# Altium PCB FMC_ADC_130M_16B_4CH.PcbDoc (part 6 of 8)
Units mil, origin at the board's own origin, x right, y up, seen from the top; angles counter-clockwise.
Board outline 3023 x 2716.54 mil, 8 copper layers (Top Layer, GND1, L3, GND2, L5, GND3, POWER, Bottom Layer), stack 52.323 mil thick; 406 components, 449 nets, 2146 pads, 1659 vias.
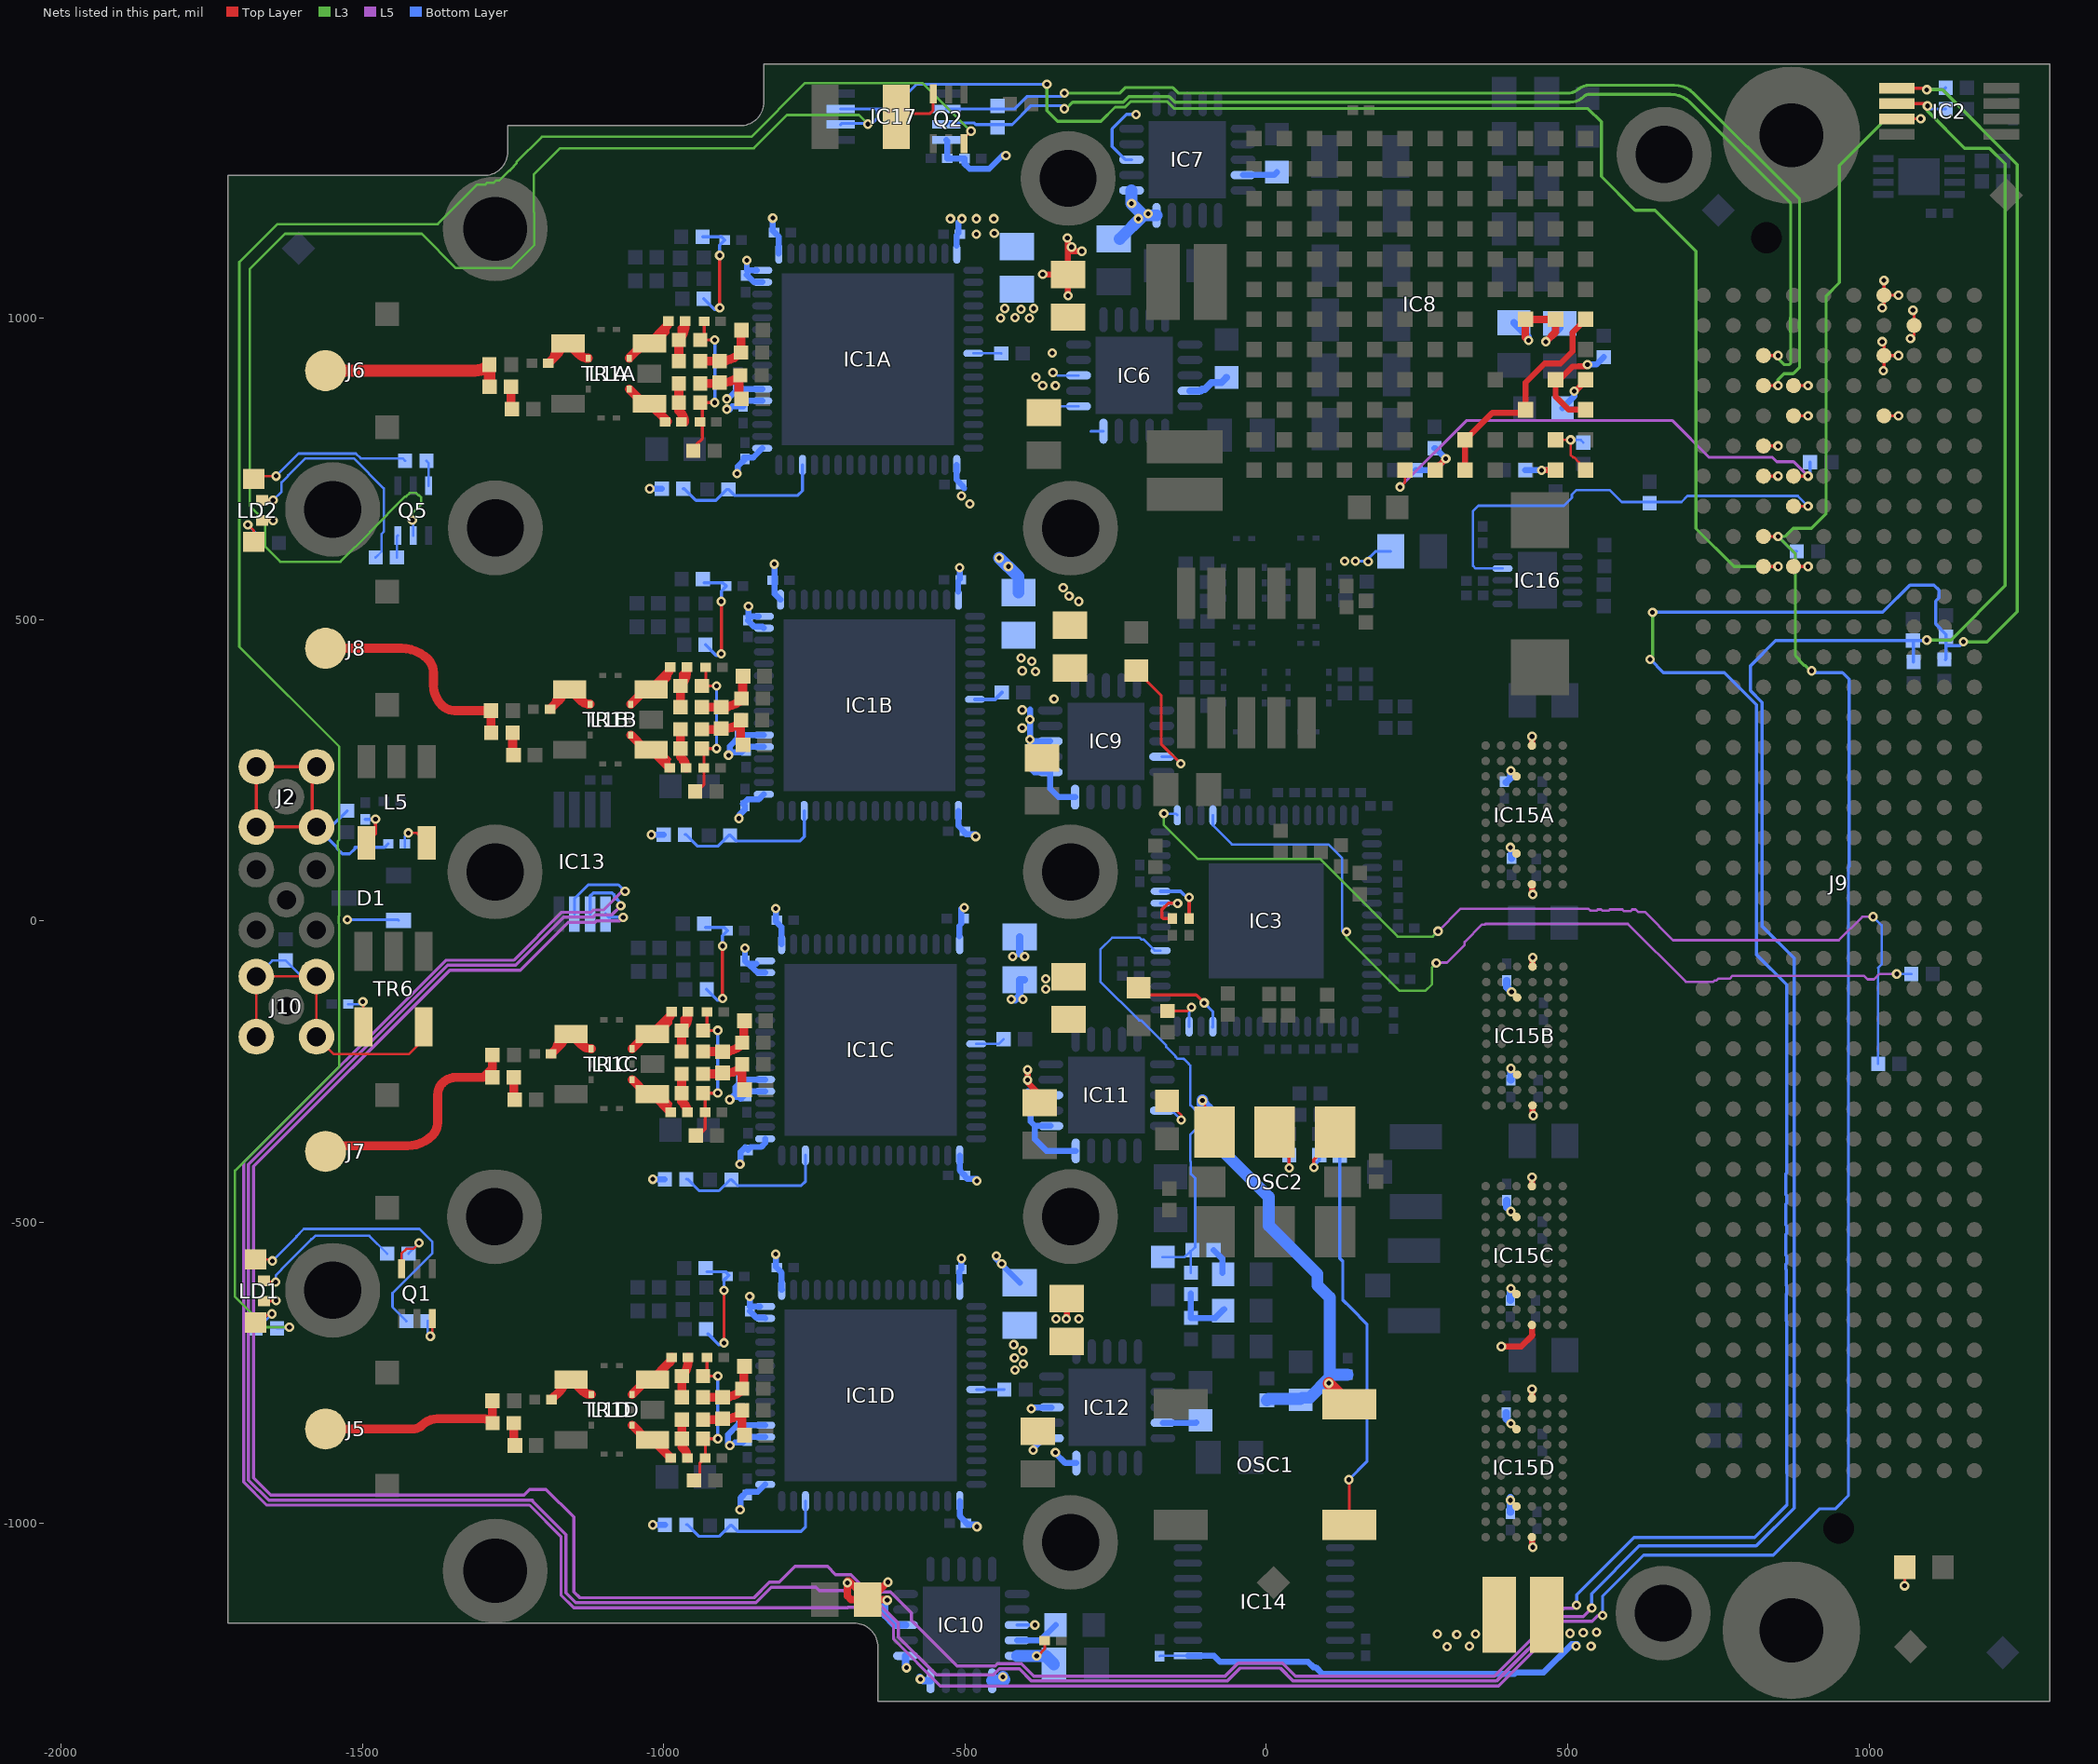
[diagram p12: the nets of this part, all layers, seen from the top]

## Via types
v1: diameter 15.75, hole 7.87, Top Layer to Bottom Layer, tented both sides, 1354 vias
v2: diameter 19.68, hole 7.87, Top Layer to Bottom Layer, tented both sides, 285 vias
v3: diameter 15.75, hole 7.87, Top Layer to Bottom Layer, 12 vias
v4: diameter 23.62, hole 7.87, Top Layer to Bottom Layer, tented both sides, 8 vias

## Nets (pads, with @x,y where several pads share a name; then routed paths per layer and width w, separated by ;. In a path a pad name is that pad's centre, name@x,y a point inside that pad or via, vN(x,y) a via of type N, cw(c..) or ccw(c..) an arc to the next point about the centre after c; other vN are vias at no path point) (continued)
LA28_N: IC2.3 IC13.3 J9.h32 R5.1 | length 7123.3
  Top Layer w5: J9.h32@824.92,638.01 v1(849,638) ; IC2.3@1046.39,1330.2 1047.18,1331 v1(1086,1331)
  L5 w5: v1(-1064,49) -1064,50 -1068,50 -1099.84,18.16 -1116.57,18.16 -1120.24,14.5 -1169.04,14.5 -1248.89,-65.35 -1361.67,-65.35 -1696.82,-400.5 -1696.82,-930.91 -1658.63,-969.11 -1222.58,-969.11 -1170.33,-1021.36 -1170.33,-1118.22 -1149.24,-1139.3 -694.79,-1139.3 -694.33,-1138.84 -668.06,-1138.84 -667.89,-1139.02 -647.67,-1139.02 -618.61,-1168.08 -618.61,-1191.39 -540.77,-1269.22 385.23,-1269.22 492.46,-1162 541,-1162 551,-1152 v1(558,-1152)
  L3 w5: v1(905,415) 903,415 894.37,423.63 893.05,423.63 884.63,432.05 884.63,433.37 878,440 878,609 v1(849,638) 861,638 874.37,651.37 904.37,651.37 929,676 929,1036.91 951,1058.91 951,1253 1029,1331 v1(1086,1331)
  Bottom Layer w5: IC13.3@-1147.8,11.39 -1147.8,37.2 -1125,60 -1075,60 v1(-1064,49) ; v1(558,-1152) 558,-1120 626,-1052 841.24,-1052 917.83,-975.4 944,-975.4 966,-953.4 966,89 967,90 967,401 956,412 908,412 v1(905,415) ; v1(849,638) 874,613 R5.1@880.28,613
LA28_P: IC17.2 IC17.3 J9.h31 Q5.2 | length 4500.2
  Top Layer w5: J9.h31@824.92,588.01 v1(849,588)
  L3 w4: v1(-1417,665) -1417,676.38 -1402.13,691.25 -1402.13,702.75 -1405.48,706.1 -1406.9,706.1 -1410.67,709.87 -1421.33,709.87 -1427.21,704 -1428.9,704 -1487,645.9 -1487,645 -1536,596 -1636,596 -1660.87,620.87 -1660.87,663 -1686.9,689.03 -1686.9,1081.3 -1628.2,1140 -1401.33,1140 -1344.46,1083.13 -1252.46,1083.13 -1214.35,1121.24 -1214.35,1175.14 -1215.61,1176.39 -1215.61,1238.08 -1171.69,1282 -850.37,1282 -795.37,1337 -676,1337 v1(-661,1322)
  L3 w5: v1(-364,1388) -364,1344 -346.5,1326.5 -274.46,1326.5 -250.83,1350.13 -234.1,1350.13 -224.85,1359.37 -164.42,1359.37 -152.69,1347.64 534,1347.64 556,1325.64 556,1235 612,1179 645,1179 713,1111 713,651 776,588 v1(849,588)
  Bottom Layer w4: v1(-1417,665) -1415.59,663.59 Q5.2@-1415.59,639.32
  Bottom Layer w5: IC17.2@-706.32,1321.3 -704.62,1323 -654.52,1323 -645.35,1332.17 -645.35,1346.37 -645.87,1346.89 ; IC17.3@-706.32,1346.89 -645.87,1346.89 ; v1(-364,1388) -580.35,1388 -621.46,1346.89 -645.87,1346.89
LA29_N: J9.g31 | length 24.1
  Top Layer w5: J9.g31@874.92,588.01 v1(899,588)
LA30_N: J9.h35 | length 24.1
  Top Layer w5: J9.h35@824.92,788.01 v1(849,788)
LA30_P: J9.h34 | length 24.1
  Top Layer w5: J9.h34@824.92,738.01 v1(849,738)
LA31_N: IC8.G12 J9.g34 R78.2 | length 842.4
  Top Layer w4: v1(222,720) 223,721 224,721 230,727 IC8.G12@230,748
  Top Layer w5: J9.g34@874.92,738.01 v1(899,738)
  L5 w5: v1(222,720) 332,830 674,830 735,769 840,769 847,762 875,762 v1(899,738)
  Bottom Layer w4: v1(222,720) v1@223,721
  Bottom Layer w5: v1(899,738) 902.28,741.28 R78.2@902.28,761
LA31_P: IC16.9 J9.g33 R48.2 | length 758.9
  Top Layer w5: J9.g33@874.92,688.01 v1(899,688)
  Bottom Layer w4: IC16.9@391.93,584.69 347.31,584.69 343,589 343,680 351.87,688.87 493.87,688.87 507.13,702.13 507.13,707.33 514.67,714.87 520,714.87 520,715 570,715 590,695 689,695 699,705 882,705 v1(899,688)
LA32_N: IC17.7 J9.h38 R75.1 | length 1827.6
  Top Layer w5: J9.h38@824.92,938.01 v1(849,938)
  L3 w5: v1(-335,1347.38) -331.93,1347.38 -321.19,1358.13 -237.41,1358.13 -228.17,1367.37 -161.11,1367.37 -151.87,1358.13 503.82,1358.13 ccw(c503.82,1390.47) 526.69,1367.6 cw(c535.8,1358.5) 535.8,1371.37 670.97,1371.37 cw(c670.97,1326.15) 702.95,1358.13 870,1191.08 870,1001.13 869.63,1000.75 869.63,977.25 870,976.87 870,925 868,923 859,923 849,933 v1(849,938)
  Bottom Layer w5: IC17.7@-530.73,1321.3 -528.29,1323.73 -484.34,1323.73 -481.91,1321.3 -421.54,1321.3 -390.33,1352.51 -340.13,1352.51 v1(-335,1347.38)
LA32_P: IC17.6 J9.h37 R75.2 | length 1875.3
  Top Layer w5: J9.h37@824.92,888.01 v1(849,888)
  L3 w5: v1(-335,1373.13) -243.62,1373.13 -234.38,1382.37 -154.9,1382.37 -145.65,1373.13 499.82,1373.13 ccw(c499.82,1400.13) 518.91,1381.04 ; 516.09,1378.21 cw(c535.8,1358.5) 535.8,1386.37 677.18,1386.37 cw(c677.18,1341.15) 709.16,1373.13 885,1197.29 885,994.91 884.63,994.54 884.63,983.46 885,983.09 885,918.79 874.21,908 859,908 849,898 v1(849,888)
  Bottom Layer w5: IC17.6@-530.73,1346.89 -417.85,1346.89 -396.74,1368 -340.13,1368 v1(-335,1373.13)
LA33_N: J9.g37 | length 24.1
  Top Layer w5: J9.g37@874.92,888.01 v1(899,888)
LA33_P: J9.g36 | length 24.1
  Top Layer w5: J9.g36@874.92,838.01 v1(899,838)
NetC1A_1: C1A.1 L1A.1 TR1A.8 | length 246.4
  Top Layer w5: C1A.1@-992.44,990.95 C1A.1@-992.44,994.34 ; L1A.1@-1032.73,958 TR1A.8@-1057.14,933.59 L1A.1@-1032.73,958 ; L1A.1@-1032.73,958 L1A.1@-1023.48,958 ; L1A.1@-1032.73,958 L1A.1@-1023.48,958 ; L1A.1@-1023.48,958 L1A.1@-1010.67,958 ; L1A.1@-1023.48,958 L1A.1@-1010.67,958 ; L1A.1@-1010.67,958 -993.03,975.63 -993.03,978.92 -992.44,979.52 C1A.1@-992.44,994.34 ; C1A.1@-992.44,994.34 C1A.1@-991.78,995 C1A.1@-992.44,994.34
  Top Layer w15: TR1A.8@-1057.14,933.59 L1A.1@-1032.73,957.99 ; L1A.1@-1023.48,958 -995.53,985.95 ccw(c-1004.58,995) -992.44,990.95 ccw(c-1004.58,995) C1A.1@-991.78,995
NetC1A_2: C1A.2 R1A.1 R3A.2 | length 139.5
  Top Layer w5: R1A.1@-974.72,928.82 R3A.2@-974.72,963.82 -974.72,984.5 C1A.2@-964.22,995
  Top Layer w15: R1A.1@-974.72,928.82 R3A.2@-974.72,963.82 ccw(c-1000.07,989.17) -964.22,989.17 C1A.2@-964.22,995
NetC1B_1: C1B.1 L1B.1 TR1B.8 | length 246.4
  Top Layer w5: C1B.1@-989.72,416.95 C1B.1@-989.72,420.34 ; L1B.1@-1030.02,384 TR1B.8@-1054.42,359.59 L1B.1@-1030.02,384 ; L1B.1@-1030.02,384 L1B.1@-1020.76,384 ; L1B.1@-1030.02,384 L1B.1@-1020.76,384 ; L1B.1@-1020.76,384 L1B.1@-1007.95,384 ; L1B.1@-1020.76,384 L1B.1@-1007.95,384 ; L1B.1@-1007.95,384 -990.31,401.63 -990.31,404.92 -989.72,405.52 C1B.1@-989.72,420.34 ; C1B.1@-989.72,420.34 C1B.1@-989.06,421 C1B.1@-989.72,420.34
  Top Layer w15: TR1B.8@-1054.42,359.59 L1B.1@-1030.02,383.99 ; L1B.1@-1020.76,384 -992.81,411.95 ccw(c-1001.86,421) -989.72,416.95 ccw(c-1001.86,421) C1B.1@-989.06,421
NetC1B_2: C1B.2 R1B.1 R3B.2 | length 139.5
  Top Layer w5: R1B.1@-972,354.82 R3B.2@-972,389.82 -972,410.5 C1B.2@-961.5,421
  Top Layer w15: R1B.1@-972,354.82 R3B.2@-972,389.82 ccw(c-997.35,415.17) -961.5,415.17 C1B.2@-961.5,421
NetC1C_1: C1C.1 L1C.1 TR1C.8 | length 246.4
  Top Layer w5: C1C.1@-987.64,-154.62 C1C.1@-987.64,-151.23 ; L1C.1@-1027.94,-187.58 TR1C.8@-1052.34,-211.99 L1C.1@-1027.94,-187.58 ; L1C.1@-1027.94,-187.58 L1C.1@-1018.68,-187.58 ; L1C.1@-1027.94,-187.58 L1C.1@-1018.68,-187.58 ; L1C.1@-1018.68,-187.58 L1C.1@-1005.87,-187.58 ; L1C.1@-1018.68,-187.58 L1C.1@-1005.87,-187.58 ; L1C.1@-1005.87,-187.58 -988.24,-169.94 -988.24,-166.65 -987.64,-166.06 C1C.1@-987.64,-151.23 ; C1C.1@-987.64,-151.23 C1C.1@-986.98,-150.57 C1C.1@-987.64,-151.23
  Top Layer w15: TR1C.8@-1052.34,-211.99 L1C.1@-1027.94,-187.59 ; L1C.1@-1018.68,-187.58 -990.73,-159.62 ccw(c-999.78,-150.57) -987.64,-154.62 ccw(c-999.78,-150.57) C1C.1@-986.98,-150.57
NetC1C_2: C1C.2 R1C.1 R3C.2 | length 139.5
  Top Layer w5: R1C.1@-969.92,-216.75 R3C.2@-969.92,-181.75 -969.92,-161.07 C1C.2@-959.43,-150.57
  Top Layer w15: R1C.1@-969.92,-216.75 R3C.2@-969.92,-181.75 ccw(c-995.27,-156.4) -959.43,-156.4 C1C.2@-959.43,-150.57
NetC1D_1: C1D.1 L1D.1 TR1D.8 | length 145
  Top Layer w5: TR1D.8@-1052.23,-785.41 -1027.83,-761 L1D.1@-1018.57,-761 L1D.1@-1005.76,-761 ; C1D.1@-987.53,-728.05 -987.53,-724.66 C1D.1@-986.87,-724
  Top Layer w15: TR1D.8@-1052.23,-785.41 L1D.1@-1027.83,-761.01 ; L1D.1@-1018.57,-761 -990.62,-733.05 ccw(c-999.67,-724) -987.53,-728.05 ccw(c-999.67,-724) C1D.1@-986.87,-724
NetC1D_2: C1D.2 R1D.1 R3D.2 | length 69
  Top Layer w15: R1D.1@-969.81,-790.18 R3D.2@-969.81,-755.18 ccw(c-995.16,-729.83) -959.31,-729.83 C1D.2@-959.31,-724
NetC2A_2: C2A.2 L1A.5 TR1A.1 | length 185.9
  Top Layer w5: C2A.2@-1191.22,925 -1185,943 L1A.5@-1171.22,956.78 ; L1A.5@-1158.52,958 -1149.27,958 TR1A.1@-1124.86,933.59
  Top Layer w15: C2A.2@-1191.22,925 -1176.68,939.54 ccw(c-1194.92,957.78) -1169.13,957.78 -1168.91,958 L1A.5@-1158.52,958 ; L1A.5@-1149.27,958 L1A.5@-1158.52,958 ; TR1A.1@-1124.86,933.59 cw(c-1124.85,955.93) -1140.65,940.13 L1A.5@-1158.52,958
NetC2B_2: C2B.2 L1B.5 TR1B.1 | length 208.6
  Top Layer w5: C2B.2@-1188.5,351 -1182,368 ; L1B.5@-1168.22,381.78 -1182,368 ; L1B.5@-1160.94,378.56 -1182,368 ; L1B.5@-1155.8,384 -1146.55,384 TR1B.1@-1122.14,359.59
  Top Layer w15: C2B.2@-1188.5,351 -1173.96,365.54 ccw(c-1192.21,383.78) -1166.41,383.78 -1166.19,384 L1B.5@-1155.8,384 ; L1B.5@-1146.55,384 L1B.5@-1155.8,384 ; TR1B.1@-1122.14,359.59 cw(c-1122.14,381.93) -1137.94,366.13 L1B.5@-1155.8,384
NetC2C_2: C2C.2 L1C.5 TR1C.1 | length 186.5
  Top Layer w5: C2C.2@-1186.43,-220.57 -1180,-202 L1C.5@-1166.22,-188.22 ; L1C.5@-1153.72,-187.58 -1144.47,-187.58 TR1C.1@-1120.06,-211.99
  Top Layer w15: C2C.2@-1186.43,-220.57 -1171.89,-206.04 ccw(c-1190.13,-187.8) -1164.33,-187.8 -1164.11,-187.58 L1C.5@-1153.72,-187.58 ; L1C.5@-1144.47,-187.58 L1C.5@-1153.72,-187.58 ; TR1C.1@-1120.06,-211.99 cw(c-1120.06,-189.65) -1135.86,-205.44 L1C.5@-1153.72,-187.58
NetC2D_2: C2D.2 L1D.5 TR1D.1 | length 103.6
  Top Layer w15: C2D.2@-1186.31,-794 -1171.78,-779.46 ccw(c-1190.02,-761.22) -1164.22,-761.22 -1164,-761 L1D.5@-1153.61,-761 ; L1D.5@-1144.36,-761 L1D.5@-1153.61,-761 ; TR1D.1@-1119.95,-785.41 cw(c-1119.95,-763.07) -1135.75,-778.87 L1D.5@-1153.61,-761
NetC3A_1: C3A.1 C5A.2 R1A.2 R2A.1 | length 230.8
  Top Layer w5: R1A.2@-939.29,928.82 -885.89,928.82 R2A.1@-871.72,943 -870.72,944 C3A.1@-870.72,980 ; R2A.1@-873.17,941.55 R2A.1@-871.72,943
  Top Layer w15: R1A.2@-939.29,928.82 -907.11,928.82 C5A.2@-907,928.72 C5A.2@-906.2,928.72 ; C5A.2@-896.93,928.72 C5A.2@-906.2,928.72 ; R2A.1@-871.72,943 cw(c-906.2,977.48) -902.96,928.82 cw(c-906.2,977.48) C5A.2@-906.2,928.72 ; R2A.1@-871.72,943 -871.72,977.59 cw(c-868.3,977.59) C3A.1@-870.72,980
NetC3B_1: C3B.1 C5B.2 R1B.2 R2B.1 | length 230.8
  Top Layer w5: R1B.2@-936.57,354.82 -883.18,354.82 -869,369 -868,370 C3B.1@-868,406 ; R2B.1@-870.45,367.55 R2B.1@-869.02,368.98
  Top Layer w15: R1B.2@-936.57,354.82 -904.39,354.82 C5B.2@-904.28,354.72 C5B.2@-903.48,354.72 ; C5B.2@-894.22,354.72 C5B.2@-903.48,354.72 ; R2B.1@-869.02,368.98 cw(c-903.48,403.48) -900.25,354.82 cw(c-903.48,403.48) C5B.2@-903.48,354.72 ; R2B.1@-869,369 -869,403.59 cw(c-865.59,403.59) C3B.1@-868,406
NetC3C_1: C3C.1 C5C.2 R1C.2 R2C.1 | length 230.8
  Top Layer w5: R1C.2@-934.49,-216.75 -881.1,-216.75 R2C.1@-866.92,-202.57 ; R2C.1@-868.37,-204.03 R2C.1@-866.94,-202.59 ; C3C.1@-865.92,-165.57 -865.92,-201.57 R2C.1@-866.92,-202.57
  Top Layer w15: R1C.2@-934.49,-216.75 -902.31,-216.75 C5C.2@-902.2,-216.86 C5C.2@-901.4,-216.86 ; C5C.2@-892.14,-216.86 C5C.2@-901.4,-216.86 ; C3C.1@-865.92,-165.57 ccw(c-863.51,-167.99) -866.92,-167.99 -866.92,-202.57 cw(c-901.4,-168.09) -898.17,-216.75 cw(c-901.4,-168.09) C5C.2@-901.4,-216.86
NetC3D_1: C3D.1 C5D.2 R1D.2 R2D.1 | length 120
  Top Layer w5: R2D.1@-868.26,-777.45 R2D.1@-866.83,-776.02
  Top Layer w15: R1D.2@-934.38,-790.18 -902.2,-790.18 C5D.2@-902.09,-790.28 C5D.2@-901.29,-790.28 ; C5D.2@-892.03,-790.28 C5D.2@-901.29,-790.28 ; R2D.1@-866.83,-776.02 cw(c-901.29,-741.52) -898.06,-790.18 cw(c-901.29,-741.52) C5D.2@-901.29,-790.28 ; R2D.1@-866.81,-776 -866.81,-741.41 cw(c-863.4,-741.41) C3D.1@-865.81,-739
NetC4A_1: C4A.1 C26A.1 R3A.1 R6A.2 R16A.1 | length 260.3
  Top Layer w5: R16A.1@-944.72,791 -935.78,799.94 -935.78,828 -935.78,856.32 R6A.2@-939.29,859.82 -915.18,859.82 v1(-915,860) ; C4A.1@-932.78,994.73 -932.78,970.33 R3A.1@-939.29,963.82 -915.18,963.82 v1(-915,964)
  Bottom Layer w5: v1(-915,860) v1(-915,964)
NetC4B_1: C4B.1 C26B.1 R3B.1 R6B.2 R16B.1 | length 255.3
  Top Layer w5: R16B.1@-942,217 -933.06,225.94 C26B.1@-933.06,254 R6B.2@-933.06,282.32 ; R6B.2@-936.57,285.82 -912.46,285.82 v1(-912.28,286) ; C4B.1@-930.06,420.73 -930.06,396.33 R3B.1@-936.57,389.82 -912.46,389.82 v1(-912.28,390)
  Bottom Layer w5: v1(-912.28,286) v1(-912.28,390)
NetC4C_1: C4C.1 C26C.1 R3C.1 R6C.2 R16C.1 | length 255.3
  Top Layer w5: R16C.1@-939.92,-354.57 -930.98,-345.64 C26C.1@-930.98,-317.57 R6C.2@-930.98,-289.26 ; R6C.2@-934.49,-285.75 -910.38,-285.75 v1(-910.2,-285.57) ; C4C.1@-927.98,-150.84 -927.98,-175.24 R3C.1@-934.49,-181.75 -910.38,-181.75 v1(-910.2,-181.57)
  Bottom Layer w5: v1(-910.2,-285.57) v1(-910.2,-181.57)
NetC4D_1: C4D.1 C26D.1 R3D.1 R6D.2 R16D.1 | length 255.5
  Top Layer w5: R16D.1@-939.81,-928 -940,-927.81 -940,-900.13 C26D.1@-930.87,-891 R6D.2@-930.87,-862.68 ; R6D.2@-934.38,-859.18 -910.27,-859.18 v1(-910.09,-859) ; C4D.1@-927.87,-724.27 -927.87,-748.67 R3D.1@-934.38,-755.18 -910.27,-755.18 v1(-910.09,-755)
  Bottom Layer w5: v1(-910.09,-859) v1(-910.09,-755)
NetC5A_1: C5A.1 C7A.1 R8A.2 R9A.1 | length 221.8
  Top Layer w5: R8A.2@-939.29,891.82 -886.89,891.82 -871.72,907 -870.72,906 C7A.1@-870.72,866
  Top Layer w15: R8A.2@-939.29,891.82 -910.52,891.82 ccw(c-910.52,896.81) C5A.1@-907,893.28 -900.32,893.28 ccw(c-900.32,929.23) -874.91,903.81 -874.91,876.11 ccw(c-860.6,876.11) C7A.1@-870.72,866
NetC5B_1: C5B.1 C7B.1 R8B.2 R9B.1 | length 220.4
  Top Layer w5: R8B.2@-936.57,317.82 -884.18,317.82 R9B.1@-869,333 ; C7B.1@-868,292 R9B.1@-868,332
  Top Layer w15: R8B.2@-936.57,317.82 -907.81,317.82 ccw(c-907.81,322.81) C5B.1@-904.28,319.28 -897.6,319.28 ccw(c-897.6,355.23) -872.19,329.81 -872.19,302.11 ccw(c-857.89,302.11) C7B.1@-868,292
NetC5C_1: C5C.1 C7C.1 R8C.2 R9C.1 | length 220.4
  Top Layer w5: R8C.2@-934.49,-253.75 -882.1,-253.75 R9C.1@-866.92,-238.57 ; C7C.1@-865.92,-279.57 R9C.1@-865.92,-239.57
  Top Layer w15: R8C.2@-934.49,-253.75 -905.73,-253.75 ccw(c-905.73,-248.77) C5C.1@-902.2,-252.29 -895.53,-252.29 ccw(c-895.53,-216.35) -870.11,-241.76 -870.11,-269.46 ccw(c-855.81,-269.46) C7C.1@-865.92,-279.57
NetC5D_1: C5D.1 C7D.1 R8D.2 R9D.1 | length 106.5
  Top Layer w15: R8D.2@-934.38,-827.18 -905.62,-827.18 ccw(c-905.62,-822.19) C5D.1@-902.09,-825.72 -895.42,-825.72 ccw(c-895.42,-789.77) -870,-815.19 -870,-842.89 ccw(c-855.7,-842.89) C7D.1@-865.81,-853
NetC6A_2: C6A.2 R11A.1 | length 69.8
  Top Layer w5: C6A.2@-1254.67,849 R11A.1@-1254.67,885.6
  Top Layer w15: C6A.2@-1253.28,852.78 R11A.1@-1253.28,886
NetC6B_2: C6B.2 R11B.1 | length 69.8
  Top Layer w5: C6B.2@-1251.95,275 R11B.1@-1251.95,311.6
  Top Layer w15: C6B.2@-1250.57,278.78 R11B.1@-1250.57,312
NetC6C_2: C6C.2 R11C.1 | length 69.8
  Top Layer w5: C6C.2@-1249.88,-296.58 R11C.1@-1249.88,-259.97
  Top Layer w15: C6C.2@-1248.49,-292.79 R11C.1@-1248.49,-259.57
NetC6D_2: C6D.2 R11D.1 | length 74
  Top Layer w5: C6D.2@-1249.77,-870 R11D.1@-1249.77,-833.4
  Top Layer w15: R11D.1@-1248.38,-833 -1248.38,-866.22 ccw(c-1243.03,-866.22) C6D.2@-1246.81,-870
NetC8A_1: C8A.1 L1A.3 TR1A.6 | length 161.3
  Top Layer w5: TR1A.6@-1057.14,882.41 L1A.3@-1032.73,858 ; C8A.1@-993.48,828.7 -993.48,828 C8A.1@-992.78,828 ; L1A.3@-1032.73,858 L1A.3@-1023.48,858 ; L1A.3@-1032.73,858 L1A.3@-1023.48,858 ; L1A.3@-1023.48,858 -1008.33,858 L1A.3@-1023.48,858
  Top Layer w15: TR1A.6@-1057.14,882.41 L1A.3@-1032.73,858 ; L1A.3@-1023.48,858 cw(c-1023.48,856.3) -1022.28,857.51 C8A.1@-993.48,828.7
NetC8A_2: C8A.2 R6A.1 R8A.1 | length 134.6
  Top Layer w5: R8A.1@-974.72,891.82 R6A.1@-974.72,859.82 -974.72,837.5 C8A.2@-965.22,828
  Top Layer w15: R8A.1@-974.72,891.82 R6A.1@-974.72,859.82 -974.72,846.37 -971.5,843.15 cw(c-986.65,828) C8A.2@-965.22,828
NetC8B_1: C8B.1 L1B.3 TR1B.6 | length 233.1
  Top Layer w5: C8B.1@-990.77,254.7 -990.77,254 -990.77,267.06 -989.72,268.11 L1B.3@-1005.61,284 ; L1B.3@-1030.01,284 TR1B.6@-1054.42,308.41 L1B.3@-1030.01,284 ; L1B.3@-1030.01,284 L1B.3@-1020.76,284 ; L1B.3@-1030.01,284 L1B.3@-1020.76,284 ; L1B.3@-1020.76,284 L1B.3@-1005.61,284 ; L1B.3@-1020.76,284 L1B.3@-1005.61,284
  Top Layer w15: TR1B.6@-1054.42,308.41 L1B.3@-1030.01,284 ; L1B.3@-1020.76,284 cw(c-1020.76,282.3) -1019.57,283.51 -990.77,254.7 C8B.1@-990.06,254
NetC8B_2: C8B.2 R6B.1 R8B.1 | length 134.6
  Top Layer w5: R8B.1@-972,317.82 R6B.1@-972,285.82 -972,263.5 C8B.2@-962.5,254
  Top Layer w15: R8B.1@-972,317.82 R6B.1@-972,285.82 -972,272.37 -968.78,269.15 cw(c-983.93,254) C8B.2@-962.5,254
NetC8C_1: C8C.1 L1C.3 TR1C.6 | length 233.1
  Top Layer w5: C8C.1@-988.69,-316.87 -988.69,-317.57 -988.69,-304.51 -987.64,-303.47 L1C.3@-1003.53,-287.58 ; L1C.3@-1027.94,-287.58 TR1C.6@-1052.34,-263.17 L1C.3@-1027.94,-287.58 ; L1C.3@-1027.94,-287.58 L1C.3@-1018.68,-287.58 ; L1C.3@-1027.94,-287.58 L1C.3@-1018.68,-287.58 ; L1C.3@-1018.68,-287.58 L1C.3@-1003.53,-287.58 ; L1C.3@-1018.68,-287.58 L1C.3@-1003.53,-287.58
  Top Layer w15: TR1C.6@-1052.34,-263.17 L1C.3@-1027.94,-287.58 ; L1C.3@-1018.68,-287.58 cw(c-1018.68,-289.27) -1017.49,-288.07 -988.69,-316.87 C8C.1@-987.98,-317.57
NetC8C_2: C8C.2 R6C.1 R8C.1 | length 134.6
  Top Layer w5: R8C.1@-969.92,-253.75 R6C.1@-969.92,-285.75 -969.92,-308.08 C8C.2@-960.43,-317.57
  Top Layer w15: R8C.1@-969.92,-253.75 R6C.1@-969.92,-285.75 -969.92,-299.2 -966.7,-302.42 cw(c-981.85,-317.57) C8C.2@-960.43,-317.57
NetC8D_1: C8D.1 L1D.3 TR1D.6 | length 137.2
  Top Layer w5: TR1D.6@-1052.23,-836.59 -1027.82,-861 L1D.3@-1018.57,-861 L1D.3@-1003.42,-861 ; C8D.1@-988.58,-891 C8D.1@-988.58,-890.3
  Top Layer w15: TR1D.6@-1052.23,-836.59 L1D.3@-1027.82,-861 ; L1D.3@-1018.57,-861 cw(c-1018.57,-862.7) -1017.38,-861.49 -988.58,-890.3 C8D.1@-987.87,-891
NetC8D_2: C8D.2 R6D.1 R8D.1 | length 66.8
  Top Layer w15: R8D.1@-969.81,-827.18 R6D.1@-969.81,-859.18 -969.81,-872.63 -966.59,-875.85 cw(c-981.74,-891) C8D.2@-960.31,-891
NetC10_1: C10.1 C53.2 C54.1 L8.2 OSC1.4 OSC2.6 | length 803.7
  Top Layer w5: v1(-106,-298) -107,-299 -107,-301 -101.75,-306.25 -101.75,-316.75 -91.25,-316.75 -86,-322 OSC2.6@-86,-350.32
  Top Layer w20: v1(104,-767) 104,-768.04 OSC1.4@137.96,-802
  Bottom Layer w5: v1@-107,-296 v1@-106,-296
  Bottom Layer w20: v1(-106,-298) -106,-302.95 -97.13,-311.83 -97.13,-356.87 4,-458 4,-505.22 84.84,-586.06 84.84,-604.47 105,-624.63 105,-758 72,-791 C53.2@60,-791 ; L8.2@1,-795.11 3.11,-793 C53.2@57,-793 ; 112,-753 112.22,-752.78 C10.1@135,-752.78
NetC19A_2: C19A.2 C20A.2 IC1A.32 IC1A.49 L4A.2 | length 76.7
  Bottom Layer w10: IC1A.32@-513.91,1120 C20A.2@-513.91,1136.95 ; IC1A.49@-513.56,756.54 -513.56,732.33 -512.83,731.6 -512.83,730.95 C19A.2@-503.69,721.81 ; C20A.2@-511.13,1141 -511.13,1158.78 -510.91,1159 ; C19A.2@-503.13,720 C19A.2@-501.13,718
  other v1: -492,692 -506,705 -481,1139 -451.28,1141 -524,1165 -505,1165 -481,1165 -452,1165
NetC19B_2: C19B.2 C20B.2 IC1B.32 IC1B.49 L4B.2 | length 169.1
  Bottom Layer w10: IC1B.32@-511.19,546 C20B.2@-511.19,562.95 ; IC1B.49@-510.84,182.54 -510.84,158.33 -510.11,157.6 -510.11,156.95 C19B.2@-500.98,147.81 ; v1(-509,586) -509,585.81 -508.19,585 -508.41,584.78 C20B.2@-508.41,567 ; C19B.2@-500.41,146 -498.41,144 -482.19,144 v1(-482.19,140)
  Bottom Layer w20: v1(-443,602) -429,588 v1(-428,588) -411.16,571.16 L4B.2@-411.16,544.88
NetC19C_2: C19C.2 C20C.2 IC1C.32 IC1C.49 L4C.2 | length 137.6
  Bottom Layer w10: IC1C.32@-509.11,-25.57 -509.11,-8.62 ; IC1C.49@-508.76,-389.04 -508.76,-413.24 -508.03,-413.97 -508.03,-414.63 C19C.2@-498.9,-423.76 ; -506.33,-4.57 -506.33,13.2 -506,13.54 -506,20 -503,20 v1(-501,22) ; C19C.2@-498.33,-425.57 -496.33,-427.57 -480.11,-427.57 v1(-480.11,-431.57)